# Altium PCB fMAX_MB.PcbDoc (part 6 of 13) (continued)
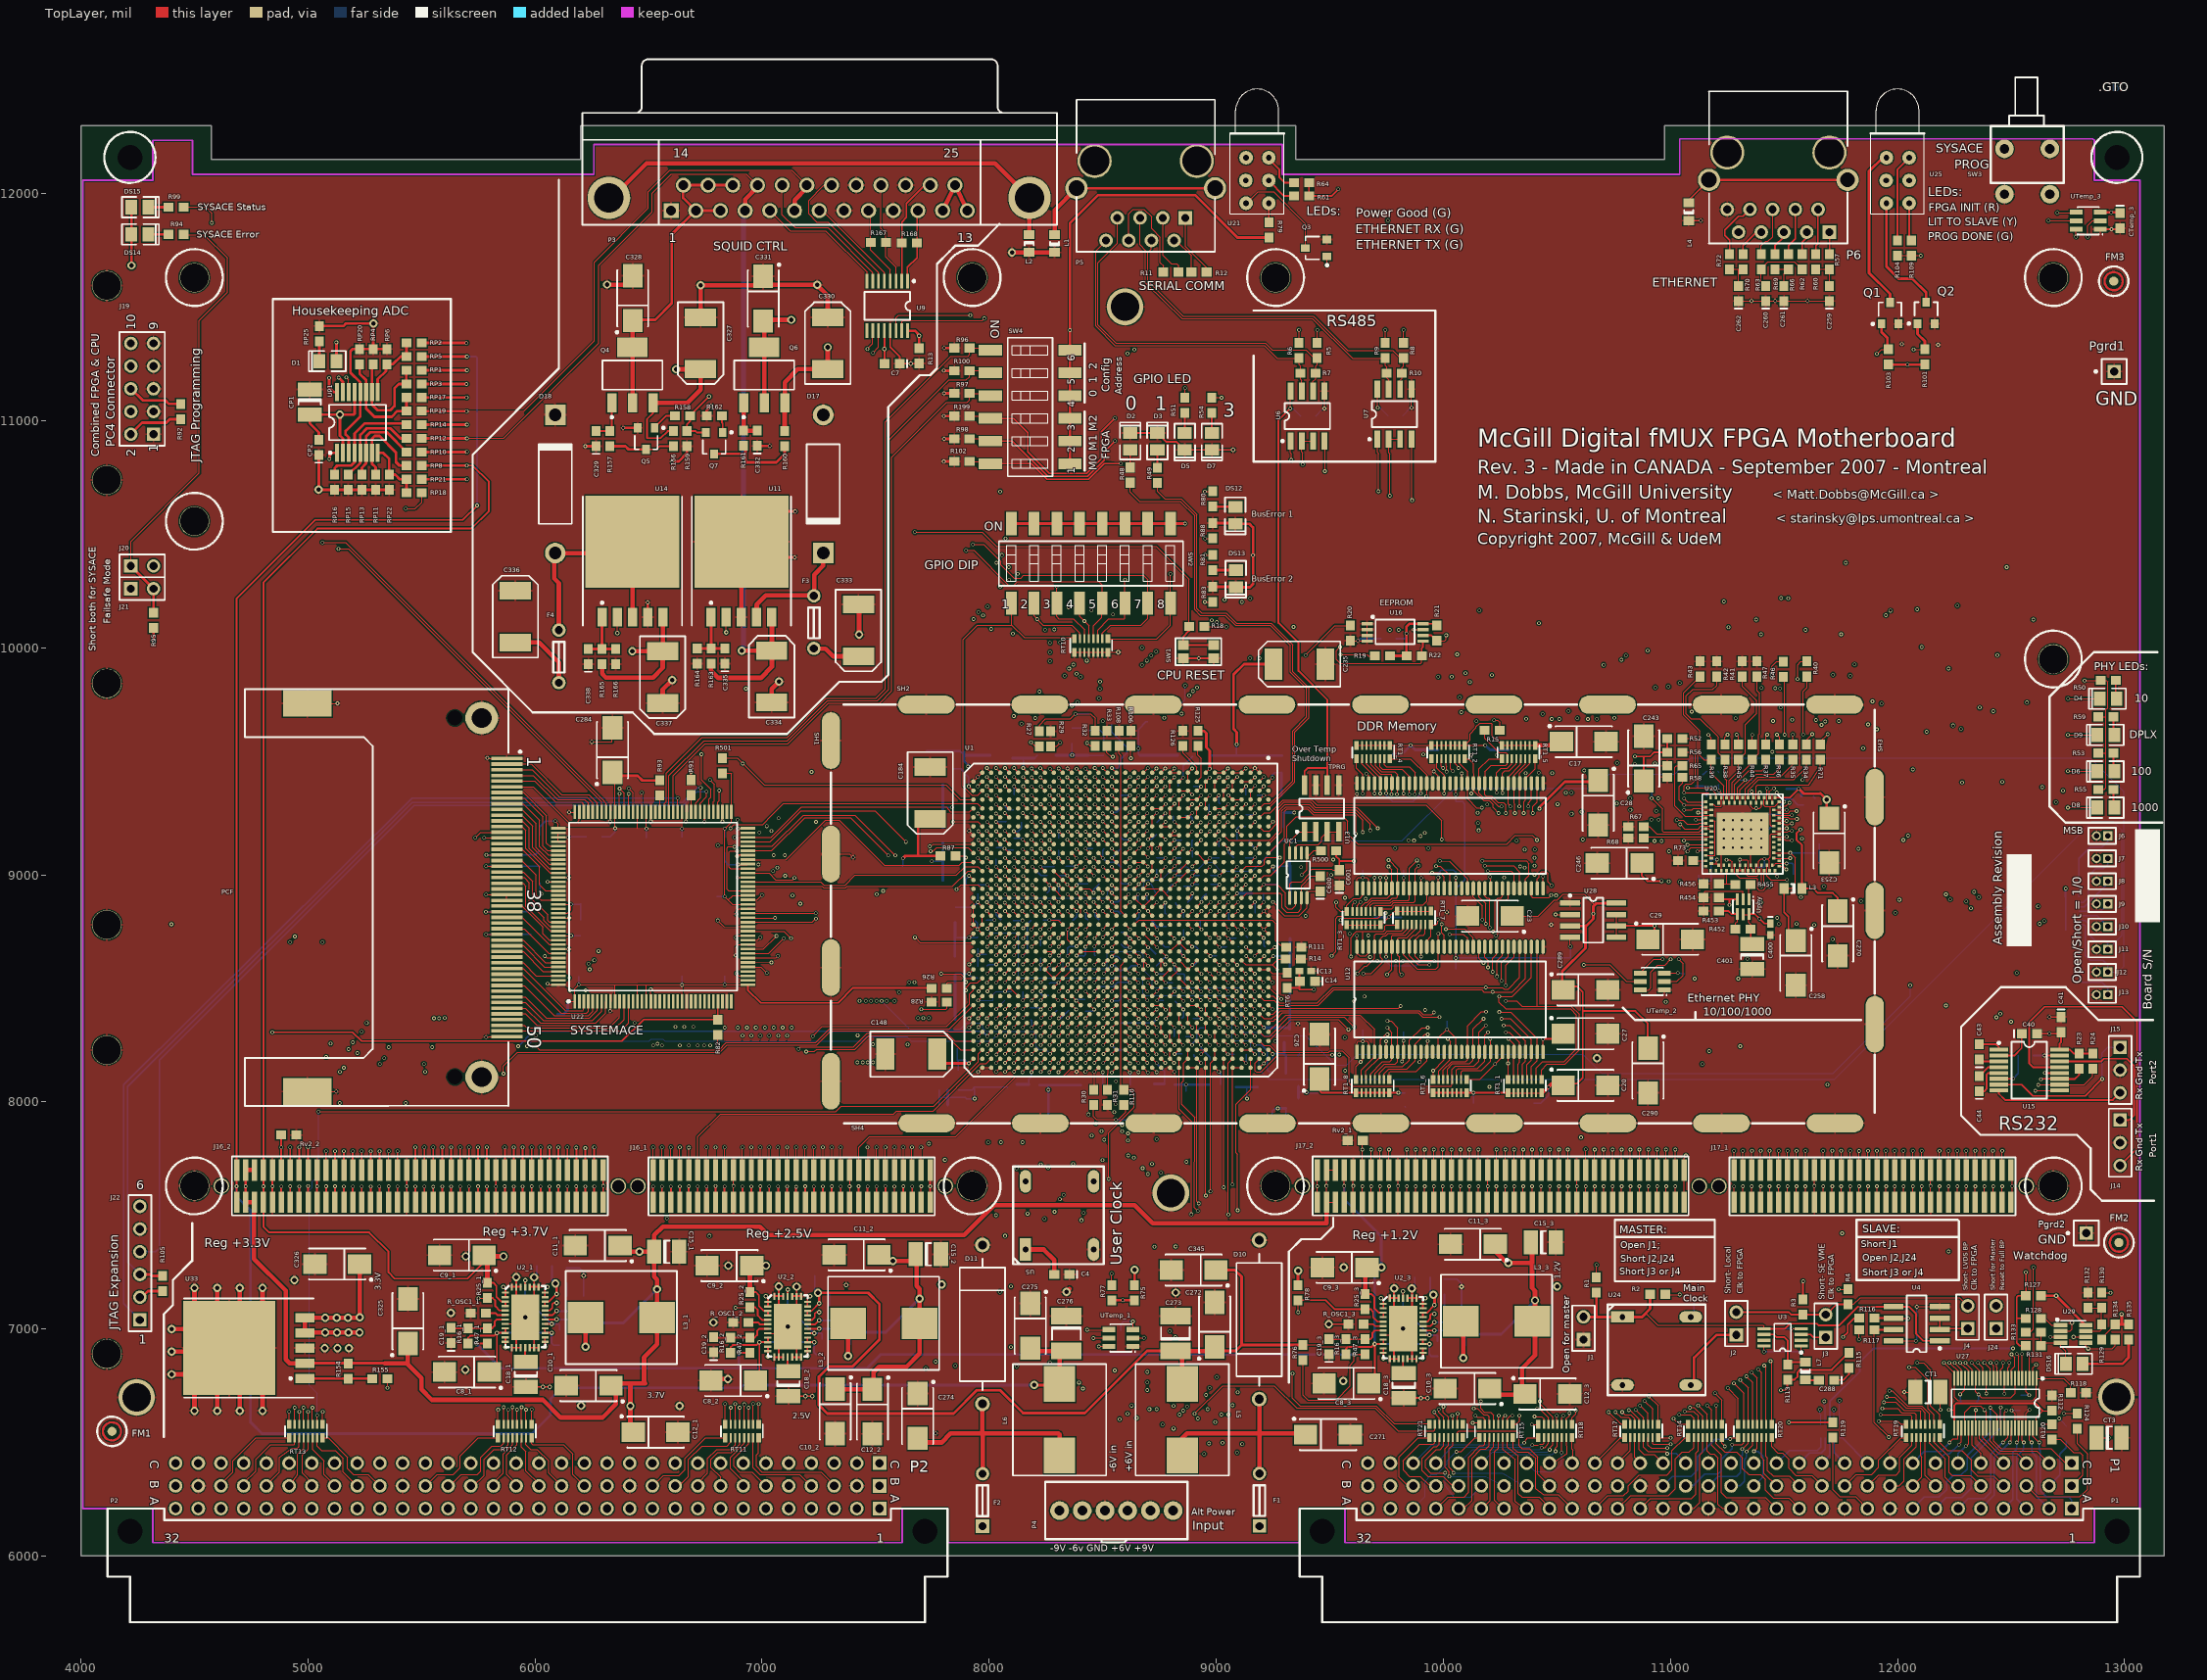
[diagram p0: TopLayer view]
## Nets (pads, with @x,y where several pads share a name; then routed paths per layer and width w, separated by ;. In a path a pad name is that pad's centre, name@x,y a point inside that pad or via, vN(x,y) a via of type N, cw(c..) or ccw(c..) an arc to the next point about the centre after c; other vN are vias at no path point) (continued)
  TopLayer w5: U1.U12@8599.69,9016.54 8601.54,9016.54 v1(8620,9035) ; J17_2.27@10548.19,7558.27 v1@10548.19,7627.81
  MidLayer1 w5: v1@8620,9034.53 8620,9036.34 8638.78,9055.12 9082.68,9055.12 9232.28,9204.72 9232.28,9240.31 9378.97,9387 9535.5,9387 9617.38,9305.12 10138.78,9305.12 10176.18,9342.52 10267.72,9342.52 10297.44,9372.24 10493.9,9372.24 10525.59,9340.55 10546.26,9340.55 v1(10563.98,9361.22)
  MidLayer5 w5: v1@10549,7628 10549,7652 10568,7671 10568,7794.2 10500.08,7862.13 10500.08,8004.17 10539.37,8043.46 10539.37,8090.55 10500.08,8129.84 10500.08,8230.19 10527.56,8257.67 10527.56,8311.02 10491,8347.58 10491,8673.86 10547.24,8730.11 10547.24,9226.38 10580.71,9259.84 10580.71,9344.49 v1(10563.98,9361.22)
  other v1: 10548,7628
M2_COMB2_S1: J17_2.28 U1.U11 | length 4073.9
  TopLayer w5: U1.U11@8599.69,9055.91 8600.91,9055.91 v1(8620,9075) ; J17_2.28@10548.19,7700 v1@10548.19,7790
  MidLayer1 w5: v1(8620,9075) 8620,9074.72 8602.36,9057.09 8602.36,9022.64 8609.25,9015.75 9132.87,9015.75 9187.99,9070.87 9187.99,9146.29 9266.73,9225.03 9266.73,9260.62 9383.11,9377 9531.36,9377 9614.07,9294.29 10142.72,9294.29 10180.94,9332.52 10272.48,9332.52 10302.2,9362.24 10489.76,9362.24 10522.28,9329.72 10539.37,9329.72 10564.96,9304.13 v1(10564.96,9268.7)
  MidLayer5 w5: v1@10548.19,7790.81 10546.17,7790.81 10490.08,7846.9 10490.08,8008.31 10527.56,8045.79 10527.56,8086.61 10490.08,8124.1 10490.08,8234.33 10515.75,8260 10515.75,8307.09 10481,8341.83 10481,8678.01 10535.43,8732.44 10535.43,9239.17 v1(10564.96,9268.7)
  other v1: 10548,7790
M2_COMB3_DATA0: J17_1.23 U1.AD6 | length 8248.1
  TopLayer w5: v1(8306,9271) 8324.09,9252.91 U1.AD6@8324.09,9252.76 ; J17_1.23@12066.93,7558.27 v1@12066.93,7627.93
  MidLayer1 w5: v1(7952.76,10157.48) 7981.3,10157.48 7987.05,10151.73 8415.51,10151.73 8448.82,10185.04 8531.5,10185.04 8560.54,10156 10128.44,10156 10152.56,10180.12 10167.32,10180.12 10191.44,10156 10396.17,10156 10451.61,10100.55 11242.28,10100.55 11251.97,10110.24 11364.17,10110.24 11377.42,10096.99 12014.31,10096.99 v1(12086.61,10169.29)
  MidLayer2 w5: v1(7952.76,10157.48) 7952.76,10106.3 7933.07,10086.61 7933.07,9366.14 7992.13,9307.09 7992.13,9271.65 8011.81,9251.97 8035.43,9251.97 8074.8,9212.6 8228.35,9212.6 8248.03,9232.28 8248.03,9240.16 8259.84,9251.97 8287.4,9251.97 8306,9270.57 v1(8306,9271)
  MidLayer5 w5: v1@12066.93,7627.93 12066.93,7652.93 12087,7673 12087,7787.02 11999,7875.02 11999,8761.33 12078.74,8841.07 12078.74,9452.76 12086.61,9460.63 v1(12086.61,10169.29)
  other v1: 12067,7628
M2_COMB3_DATA1: J17_1.24 U1.AD5 | length 5704.5
  TopLayer w5: v1(8306,9310) 8323.87,9292.13 U1.AD5@8324.09,9292.13 ; J17_1.24@12066.93,7700 v1@12066.93,7784.07
  MidLayer2 w5: v1(8306,9310) 8327,9331 8543,9331 8584,9372 8833.61,9372 8957.68,9496.06 10115.79,9496.06 10135.86,9476 10822,9476 10834,9464 v1(12067,9464)
  MidLayer5 w5: v1(12067,7785) 12067,7787.33 11989,7865.33 11989,8765.47 12067,8843.47 v1(12067,9464)
M2_COMB3_DATA2: J17_1.25 U1.AC7 | length 6189.1
  TopLayer w5: v1(8344,9233) 8363.46,9213.54 U1.AC7@8363.46,9213.39 ; J17_1.25@12027.56,7558.27 v1@12027.56,7627.56
  MidLayer5 w5: v1(12027,7628) 12027,7653 12047,7673 ; v1(12046.26,9172.24) 12057,9161.5 12057,8847.61 11979,8769.61 11979,7855.65 12047.24,7787.4 12047.24,7673.23
  MidLayer6 w5: v1(8344,9233) 8344,9233.76 8362.2,9251.97 8362.2,9490.16 8344.49,9507.87 8344.49,9610.24 8370.08,9635.83 10368.11,9635.83 10751.97,9251.97 10799.21,9251.97 11027.56,9023.62 11416.34,9023.62 11482.95,8957.01 11610.55,8957.01 11825.79,9172.24 v1(12046.26,9172.24)
M2_COMB3_DATA3: J17_1.26 U1.AB8 | length 5961.4
  TopLayer w5: v1(8387,9190) 8402.83,9174.17 U1.AB8@8402.83,9174.02 ; J17_1.26@12027.56,7700 v1@12027.56,7784.56
  MidLayer5 w5: v1(12025.59,9153.54) 12047,9132.13 12047,8851.76 11969,8773.76 11969,7842.02 12026.02,7785 v1(12027,7785)
  MidLayer6 w5: v1(8387,9190) 8387,9191.13 8404.53,9208.66 8404.53,9607.28 8423.07,9625.83 10363.97,9625.83 10748.65,9241.14 10795.9,9241.14 11025.23,9011.81 11414.01,9011.81 11478.81,8947.01 11616.3,8947.01 11822.83,9153.54 v1(12025.59,9153.54)
M2_COMB3_DATA4: J17_1.27 U1.Y16 | length 5234.3
  TopLayer w5: v1(8460,8880) 8480.94,8859.06 U1.Y16@8481.57,8859.06 ; J17_1.27@11988.19,7558.27 v1@11988.19,7627.81
  MidLayer1 w5: v1(8460,8880) 8460.55,8880 8482.28,8858.27 9250.98,8858.27 9271.65,8878.94 9271.65,8931.1 v1@9375,9034.45 ; v1(11041.34,8968.5) 11163.39,8846.46 11964.57,8846.46 v1(12007.87,8889.76)
  MidLayer5 w5: v1(11988,7628) 11988,7653 12007.41,7672.41 12007.41,7787.86 11959,7836.28 11959,8777.9 12007.87,8826.77 v1(12007.87,8889.76)
  MidLayer4 w5: v1@9375,9034.45 9499.95,9034.45 9565.9,8968.5 10211.25,8968.5 10257.51,9014.76 10278.54,9014.76 10336.3,8957.01 10442.87,8957.01 10469.13,8983.27 10910.43,8983.27 10920.28,8993.11 11016.73,8993.11 v1(11041.34,8968.5)
  other v1: 9374.18,9033.63
M2_COMB3_DATA5: J17_1.28 U1.AA15 | length 5137.5
  TopLayer w5: v1(8425,8920) 8425,8915.63 U1.AA15@8442.2,8898.43 ; J17_1.28@11988.19,7700 v1@11988.19,7784.81
  MidLayer1 w5: v1(8425,8920) 8425,8919.09 8405.51,8899.61 8405.51,8821.85 8433.9,8793.46 9300.35,8793.46 v1(9505.91,8999.02) ; v1@10992.13,8972.44 10992.13,8968.5 11127.63,8833 v1@11988,8833
  MidLayer5 w5: v1(11988,7785) 11988,7787.59 11949,7826.59 11949,8792 v1(11990,8833)
  MidLayer4 w5: v1(9505.91,8999.02) 9505.91,8998.03 9546.93,8957.01 9637.48,8957.01 10210.63,8957.68 10214.57,8957.68 10260.83,9003.94 10274.61,9003.94 10331.54,8947.01 10447.01,8947.01 10471.46,8971.46 10914.37,8971.46 10946.69,8939.13 10960.79,8939.13 v1(10992.13,8970.47)
M2_COMB3_DATA6: J17_1.29 U1.AE4 | length 7159.9
  TopLayer w5: v1(8266,9350) 8284.5,9331.5 U1.AE4@8284.72,9331.5 ; J17_1.29@11950,7558.27 v1(11950,7628)
  MidLayer2 w5: v1(8246,10079) 8246,9370 v1(8266,9350)
  MidLayer5 w5: v1(11950,7628) 11950,7653 11969,7672 11969,7790.84 11939,7820.84 11939,9619.38 11952.76,9633.13 11952.76,9729.95 11956.69,9733.89 11956.69,10122.05 11969,10134.35 v1(11969,10163)
  MidLayer4 w5: v1(8246,10079) 8264,10097 9017,10097 9030,10110 9466.72,10110 9504.72,10148 11352.86,10148 11358.86,10154 11938.08,10154 11947.08,10163 v1@11970,10163
M2_COMB3_DATA7: J17_1.30 U1.AD4 | length 6921.2
  TopLayer w5: v1(8305,9350) 8323.5,9331.5 U1.AD4@8324.09,9331.5 ; J17_1.30@11948.82,7700 v1@11948.82,7784.82
  MidLayer2 w5: v1(8286,10081) 8286,9369 v1(8305,9350)
  MidLayer5 w5: v1(11949,7785) 11949,7795.09 11929,7815.09 11929,9623.52 11940.94,9635.46 11940.94,9732.28 11944.88,9736.22 11944.88,10138.88 v1(11949,10143)
  MidLayer4 w5: v1(8286,10081) 9022,10081 9031,10072 9442.86,10072 9508.86,10138 11357,10138 11362,10143 v1(11949,10143)
M2_COMB3_DATA8: J17_1.31 U1.AH3 | length 6395.6
  TopLayer w5: v1(8150,9390) 8166.61,9373.39 U1.AH3@8166.61,9370.87 ; J17_1.31@11909.45,7558.27 v1@11909.45,7627.55
  MidLayer2 w5: v1@8141,9666 8130,9655 8130,9410 v1(8150,9390)
  MidLayer5 w5: v1(11909,7628) 11909,7653 11929,7673 11929,7795.41 11919,7805.41 11919,9627.66 11929,9637.66 v1(11929,9754)
  MidLayer4 w5: v1(8142,9666) 8358.91,9666 8443.74,9750.83 8494.92,9750.83 8521.09,9777 8840.72,9777 8865.75,9751.97 10090.38,9751.97 10099.41,9761 ; 10101.38,9760.83 10143.83,9760.83 10167,9784 11824,9784 11905.51,9783.46 v1(11929,9754)
M2_COMB3_DATA9: J17_1.32 U1.AH2 | length 5980.6
  TopLayer w5: v1(8150,9430) 8166.61,9413.39 U1.AH2@8166.61,9410.24 ; J17_1.32@11909.45,7700 v1@11909.45,7784.55
  MidLayer1 w5: v1(8150,9430) 8150,9448 8169,9467 8169,9505 8179,9515 8325.72,9515 8349.72,9491 8382,9491 8401,9510 8467.61,9510 8505,9547.39 8615.33,9547.39 8643.72,9519 8672,9519 8700.39,9547.39 9039.04,9547.39 9067.43,9519 9118,9519 9146,9547 9814.57,9547 9837.57,9524 9879,9524 9902.39,9547.39 10142.18,9547.39 10166.57,9523 10205,9523 10229.39,9547.39 11080.39,9547.39 11133,9600 11296.85,9600 11324.67,9627.82 11324.67,9634.71 11353.96,9664 11414.01,9664 11437.27,9640.75 11674.83,9640.75 11680.74,9646.65 11903.35,9646.65 v1(11909,9641)
  MidLayer5 w5: v1(11909,7785) v1(11909,9641)
M2_COMB3_DATA10: J17_1.33 U1.AG2 | length 6127.7
  TopLayer w5: v1(8187,9429) 8205.76,9410.24 U1.AG2@8205.98,9410.24 ; J17_1.33@11870.08,7558.27 v1@11870.08,7627.92
  MidLayer3 w5: v1@8187,9429.13 8207.68,9449.8 8277.56,9449.8 8288.39,9460.63 8288.39,9480.31 8308.07,9500 8470.94,9500 8529.01,9558.07 8579.62,9558.07 8754.82,9733.27 8849.41,9733.27 8881.73,9700.94 10035.59,9700.94 10094.49,9759.84 11278.53,9759.84 11282.47,9763.78 v1(11889.76,9763.78)
  MidLayer5 w5: v1(11870,7628) 11870,7653 11890,7673 11890,7795.51 11899,7804.51 11899,9624.62 11889.76,9633.86 v1(11889.76,9763.78)
M2_COMB3_DATA11: J17_1.34 U1.AG1 | length 6100.9
  TopLayer w5: v1(8187,9468) 8205.39,9449.61 U1.AG1@8205.98,9449.61 ; J17_1.34@11870.08,7700 v1@11870.08,7783.92
  MidLayer1 w5: v1(8202,9690) 8489.21,9690 8495.08,9695.87 8503.94,9695.87 8529.8,9670 10122.32,9670 10130.68,9678.36 10130.68,9682.85 10140.75,9692.91 10151.57,9692.91 10184.49,9660 11035.72,9660 11076.77,9701.05 11076.77,9725.39 11086.61,9735.24 11087.6,9735.24 11125,9772.64 11381.89,9772.64 11448.82,9839.57 11499.02,9839.57 11614.58,9724 11808.48,9724 v1(11870.08,9662.4)
  MidLayer5 w5: v1(8187,9468) 8187,9504 8202,9519 v1(8202,9690) ; v1(11870,7785) 11870,7791.26 11889,7810.26 11889,9485.02 11870,9504.02 v1(11870.08,9662.4)
M2_COMB3_DATA12: J17_1.35 U1.AC9 | length 5188.3
  TopLayer w5: v1(8344,9154) 8363.35,9134.65 U1.AC9@8363.46,9134.65 ; J17_1.35@11830.71,7558.27 v1@11830.71,7627.71
  MidLayer2 w5: v1(8344,9154) 8344,9136.31 8366.14,9114.17 8366.14,9070.87 8381.89,9055.12 9106.3,9055.12 ; 9108.27,9055.12 9128.57,9055.12 9135.46,9048.23 9180.12,9048.23 9235.75,9103.86 9762.91,9103.86 9776.21,9090.55 10298.85,9090.55 10314.6,9074.8 10373.03,9074.8 10383.86,9063.98 10383.86,8993.11 10450.79,8926.18 10503.94,8926.18 10522.17,8907.95 11257.4,8907.95 11291.85,8873.51 11291.85,8850.87 11308.9,8833.82 11799.37,8833.82 11838.58,8873.03 v1(11838.58,8884.84)
  MidLayer5 w5: v1(11831,7628) 11831,7653 11850,7672 11850,7787.01 11879,7816.01 11879,8858.2 11852.36,8884.84 v1(11838.58,8884.84)
M2_COMB3_DATA13: J17_1.36 U1.AC8 | length 5721.3
  TopLayer w5: v1(8346,9191) 8362.98,9174.02 U1.AC8@8363.46,9174.02 ; J17_1.36@11830.71,7700 v1@11830.71,7784.71
  MidLayer5 w5: v1(11828.74,9114.17) 11821,9106.43 11821,8875.85 11869,8827.85 11869,7833.57 11830.71,7795.28 v1(11830.71,7783.46)
  MidLayer6 w5: v1(8346,9191) 8348.37,9191 8366.14,9173.23 8431.1,9173.23 8445.87,9187.99 8445.87,9554.13 8507.56,9615.83 10359.83,9615.83 10744.51,9231.14 10791.34,9231.14 10912.97,9109.51 10913.39,9109.51 11022.9,9000 11411.68,9000 11474.67,8937.01 11622.05,8937.01 11799.21,9114.17 v1(11828.74,9114.17)
M2_COMB3_DATA14: J17_1.37 U1.AG3 | length 6622.5
  TopLayer w5: v1(8188,9389) 8205.98,9371.02 U1.AG3@8205.98,9370.87 ; J17_1.37@11791.34,7558.27 v1@11791.34,7627.66
  MidLayer2 w5: v1(8108.27,9698.82) 8142.72,9698.82 8161.96,9679.58 8161.96,9575.04 ; 8161,9576 8169,9568 8169,9408 v1(8188,9389)
  MidLayer5 w5: v1(11791,7628) 11791,7653 11811,7673 11811,7791.31 11859,7839.31 11859,8823.71 11811,8871.71 v1(11811,9926)
  MidLayer4 w5: v1(8108.27,9698.82) 8163.39,9698.82 8175.57,9711 8354,9711 8370,9727 8370,9727.28 8397.56,9727.28 8431.1,9760.83 8489.17,9760.83 8515.35,9787 8844.86,9787 8869.06,9762.8 10077.65,9762.8 10108.86,9794 11662,9794 11794,9926 v1(11811,9926)
M2_COMB3_DATA15: J17_1.38 U1.AF3 | length 6173.5
  TopLayer w5: v1(8227,9389) 8245.13,9370.87 U1.AF3@8245.35,9370.87 ; J17_1.38@11791.34,7700 v1@11791.34,7783.66
  MidLayer1 w5: v1(8387.8,9760.83) 10937.29,9761 10973.29,9797 11034.2,9797 11079.72,9842.52 11135.2,9898 11770,9898 v1(11791,9877)
  MidLayer5 w5: v1(8227,9389) 8245,9407 8245,9504.72 8295.28,9555 8324,9555 8338,9569 8338,9694.3 8387.8,9744.09 v1(8387.8,9760.83) ; v1(11791,7785) 11791,7787.06 11849,7845.06 11849,8819.57 11799.21,8869.35 11799.21,9868.79 v1(11791,9877)
M2_COMB3_S0: J17_1.39 U1.AE6 | length 7978.2
  TopLayer w5: v1(8266,9272) 8284.72,9253.28 U1.AE6@8284.72,9252.76 ; J17_1.39@11751.97,7558.27 v1(11752,7628)
  MidLayer1 w5: v1(8031.5,10374.02) v1(11771.65,10374.02)
  MidLayer2 w5: v1(8031.5,10374.02) 8031.5,10078.74 8011.81,10059.06 8011.81,9385.83 8027.56,9370.08 8039.37,9370.08 8110.24,9299.21 8110.24,9271.65 8129.92,9251.97 8208.66,9251.97 8228.69,9272 v1(8266,9272)
  MidLayer5 w5: v1(11752,7628) 11751.97,7652.97 11771,7672 11771,7790.69 11839,7858.69 11839,8815.42 11787.4,8867.02 11787.4,9858.27 11771.65,9874.02 v1(11771.65,10374.02) v1@11771,10373.36
M2_COMB3_S1: J17_1.40 U1.AF5 | length 6347.8
  TopLayer w5: v1(8227,9311) 8245.35,9292.65 U1.AF5@8245.35,9292.13 ; J17_1.40@11751.97,7700 v1@11751.97,7784.03
  MidLayer2 w5: v1(8221.46,9807.09) 8221,9682 8207,9668 8207,9330 8226,9311 v1(8227,9311)
  MidLayer5 w5: v1(11716,9881) 11775.59,9821.41 ; v1(11752,7785) 11752,7791.37 11829,7868.37 11829,8811.28 11775,8865.28 11775,9820
  MidLayer4 w5: v1(8221.46,9807.09) 8231.3,9797.24 8849,9797 8873,9773 10025.59,9773.62 10034.45,9773.62 10065.83,9805 11640,9805 v1(11716,9881)
M2_COMB4_DATA0: J17_1.3 U1.AB6 | length 8652
  TopLayer w5: v1(8385,9271) 8402.83,9253.17 U1.AB6@8402.83,9252.76 ; J17_1.3@12460.63,7558.27 v1@12460.63,7627.63
  MidLayer1 w5: v1(8086.61,10354.33) v1(12480.32,10354.33)
  MidLayer2 w5: v1(8086.61,10354.33) 8070.87,10338.58 8070.87,10255.91 8047.24,10232.28 8047.24,9381.89 8137.8,9291.34 8366.14,9291.34 v1@8385.83,9271.65
  MidLayer5 w5: v1(12461,7628) 12461,7681 12480,7700 12480,7791.65 12413,7858.65 12413,8891.86 12456.69,8935.56 12456.69,9381.89 12480.32,9405.51 v1(12480.32,10354.33) v1@12480,10354.02
M2_COMB4_DATA1: J17_1.4 U1.AB5 | length 6014.8
  TopLayer w5: v1(8385,9310) U1.AB5@8402.83,9292.17 ; J17_1.4@12460.63,7700 v1@12460.63,7784.63
  MidLayer2 w5: v1(10419.29,9449.8) 10419.29,9434.06 10423.35,9430 11320.56,9430 11329.56,9439 12431,9439 v1(12461,9409)
  MidLayer5 w5: v1(12461,7785) 12461,7787.03 12403,7845.03 12403,8896.01 12444.88,8937.89 12444.88,9392.88 v1(12461,9409)
  MidLayer4 w5: v1(8385,9310) 8403,9328 8403,9356 8418,9371 8436,9371 8444,9379 8444,9396 8458,9410 8567.48,9410 8606.3,9448.82 9177.17,9448.82 9206.54,9478.19 9966.69,9478.19 10013.78,9431.1 10400.59,9431.1 v1(10419.29,9449.8)
M2_COMB4_DATA2: J17_1.5 U1.AC3 | length 7286.9
  TopLayer w5: v1(8345,9390) 8363.46,9371.54 U1.AC3@8363.46,9370.87 ; J17_1.5@12421.26,7558.27 v1@12421.26,7627.74
  MidLayer2 w5: v1(8312,10024) 8312,9738 8332,9718 8332,9572 8326,9566 8326,9409 v1(8345,9390)
  MidLayer5 w5: v1(12421,7628) 12421,7680 12440,7699 12440,7792.28 12393,7839.28 12393,8900.15 12433.07,8940.22 12433.07,9399.67 12440,9406.6 v1(12440,9968)
  MidLayer4 w5: v1(8312,10024) 9580,10024 9608,9996 10858,9996 10886,9968 v1(12440,9968)
M2_COMB4_DATA3: J17_1.6 U1.AC2 | length 6335.1
  TopLayer w5: v1(8344,9429) 8362.76,9410.24 U1.AC2@8363.46,9410.24 ; J17_1.6@12420,7700 v1(12420,7785)
  MidLayer3 w5: v1(8344,9429) 8344.35,9429 8364.17,9448.82 8473.43,9448.82 8484.25,9459.65 8484.25,9483.27 8537.4,9536.42 8586.25,9536.42 8645.31,9595.47 8699.08,9595.47 8783.72,9680.12 10113.81,9680.12 10144.32,9710.63 10399.76,9710.63 10427.17,9738.03 11251.76,9738.03 11273.26,9716.54 11687.99,9716.54 11715.24,9743.78 11872,9743.78 11891.37,9724.41 12352.17,9724.41 12356.1,9720.47 v1(12421.26,9720.47)
  MidLayer5 w5: v1(12420,7785) 12420,7796.54 12383,7833.54 12383,8904.29 12423.07,8944.36 12423.07,9407.32 12430,9414.25 12430,9711.73 v1(12421.26,9720.47)
M2_COMB4_DATA4: J17_1.7 U1.Y11 | length 5486
  TopLayer w5: v1(8460,9075) 8479.09,9055.91 U1.Y11@8481.57,9055.91 ; J17_1.7@12381.89,7558.27 v1@12381.89,7627.89
  MidLayer3 w5: v1(8460,9075) 8480,9055 8569,9055 8607,9017 8927.88,9017 8944.88,9000 8990.16,9000 9005.92,9015.76 9006.23,9015.76 9054.96,9064.49 9129.67,9064.49 9157.74,9036.42 9210.94,9036.42 9310.04,8937.32 9826.46,8937.32 9873.78,8890 11223.92,8890 11243.37,8909.45 11275.59,8909.45 11291.34,8893.7 11418.31,8893.7 11438.98,8873.03 11802.17,8873.03 11830.71,8901.57 11856.66,8901.57 11886.03,8872.2 12253.91,8872.2 12283.28,8901.57 v1(12358.27,8901.57)
  MidLayer5 w5: v1(12358.27,8901.57) 12373,8886.84 12373,7819.91 12401,7791.91 12401,7701 12381.89,7681.89 v1@12381.89,7627.89
  other v1: 12382,7628
M2_COMB4_DATA5: J17_1.8 U1.AA11 | length 5530.6
  TopLayer w5: v1(8425,9075) 8442.2,9057.8 U1.AA11@8442.2,9055.91 ; J17_1.8@12381.89,7700 v1@12381.89,7784.89
  MidLayer2 w5: v1(10401.58,9039.37) 10422.24,9039.37 10533.66,8927.95 11268.9,8927.95 11313.98,8882.87 11313.98,8861.22 11321.38,8853.82 11502.44,8853.82 11565.94,8917.32 11946.85,8917.32 11990.16,8874.02 12249.02,8874.02 12299.21,8924.21 v1(12337.6,8924.21)
  MidLayer5 w5: v1(12337.6,8924.21) 12338.9,8922.91 12338.9,8893.39 12363,8869.28 12363,7814.17 12381.89,7795.28 v1@12381.89,7784.89
  MidLayer4 w5: v1(8425,9075) 8444.88,9055.12 8542.32,9055.12 8562.99,9034.45 8562.99,9010.83 8597.44,8976.38 ; 8596.08,8977.74 8966.91,8977.74 9002.95,9013.78 9045.28,9013.78 9091.54,9060.04 9474.41,9060.04 9505.91,9091.54 9865.16,9091.54 9949.49,9175.87 10136.76,9175.87 10143.34,9169.29 10271.65,9169.29 v1(10401.58,9039.37)
  other v1: 12382,7785
M2_COMB4_DATA6: J17_1.9 U1.AD2 | length 6515.2
  TopLayer w5: v1(8306,9428) 8323.76,9410.24 U1.AD2@8324.09,9410.24 ; J17_1.9@12342.52,7558.27 v1@12342.52,7627.52
  MidLayer3 w5: v1@8307.92,9428 8326.77,9446.85 8326.77,9475.39 8340.55,9489.17 8474.25,9489.17 8532.32,9547.24 8582.94,9547.24 8758.96,9723.27 8805.28,9723.27 8837.6,9690.94 10096.46,9690.94 10153.54,9748.03 11255.91,9748.03 11275.59,9728.35 11295.28,9728.35 11320.71,9753.78 11876.14,9753.78 11893.7,9736.22 v1(12362.2,9736.22)
  MidLayer5 w5: v1(12343,7628) 12343,7681 12362,7700 12362,7791.54 12353,7800.54 12353,8863.54 12328.9,8887.64 12328.9,8895.51 12304,8920.41 12304,9388.28 12314.96,9399.24 12314.96,9688.98 v1(12362.2,9736.22)
M2_COMB4_DATA7: J17_1.10 U1.AD1 | length 6268.6
  TopLayer w5: v1(8306,9468) 8324.09,9449.91 U1.AD1@8324.09,9449.61 ; J17_1.10@12342.52,7700 v1@12342.52,7784.48
  MidLayer1 w5: v1(8306,9468) 8306,9467 8323,9450 8739,9450 8756,9433 8756,9423 8769,9410 9252.52,9410 9262.8,9420.28 9262.8,9469.49 9280.31,9487 9789.72,9487 9816.09,9460.63 9934.54,9460.63 9971.3,9497.39 10088.14,9497.39 10124.9,9460.63 10162.4,9460.63 10181.24,9479.47 10256.04,9479.47 10283.97,9507.39 10699.56,9507.39 10751.24,9455.71 10847.44,9455.71 10919.12,9527.39 11089.4,9527.39 11142.01,9580 11306.38,9580 11344.67,9618.29 11344.67,9624.2 11353.35,9632.87 11387.8,9632.87 11419.29,9601.38 11649.61,9601.38 11684.06,9635.83 11699.8,9635.83 11708.66,9626.97 11902.41,9626.97 11904.38,9625 11918.31,9625 11940.79,9647.48 12230.47,9647.48 12237.2,9640.75 v1(12279.53,9641.73)
  MidLayer5 w5: v1(12279.53,9641.73) 12303.15,9618.11 12303.15,9401.57 12294,9392.43 12294,8914.66 12318.9,8889.76 12318.9,8881.89 12343,8857.79 v1(12343,7785)
M2_COMB4_DATA8: J17_1.11 U1.Y14 | length 5240.6
  TopLayer w5: U1.Y14@8481.57,8937.8 8482.2,8937.8 v1(8500,8920) ; J17_1.11@12303.15,7558.27 v1@12303.15,7627.85
  MidLayer3 w5: v1(8500,8920) 8522,8898 8550.82,8898 8590.55,8858.27 9109.25,8858.27 9161.93,8805.59 9323.93,8805.59 9378.34,8860 11233,8860 11241,8852 11811.02,8851.38 11813.98,8851.38 11823.82,8841.54 11847.44,8841.54 11857.91,8852 v1(12323,8852)
  MidLayer5 w5: v1(12303,7628) 12303,7680 12323,7700 12323,7791.5 12333,7801.5 12333,8842 v1(12323,8852)
M2_COMB4_DATA9: J17_1.12 U1.AA13 | length 5261.9
  TopLayer w5: v1(8425,8995) 8425,8994.37 U1.AA13@8442.2,8977.17 ; J17_1.12@12303.15,7700 v1@12303.15,7784.85
  MidLayer3 w5: v1(8425,8995) 8482,8938 9021.66,8938 9055.12,8971.46 9055.12,8994.09 9074.8,9013.78 9203.53,9013.78 9299.99,8917.32 9814.96,8917.32 9862.28,8870 11232.2,8870 11248.03,8885.83 11267.72,8885.83 11291.54,8862 11816.93,8862.2 11817.91,8862.2 11827.76,8852.36 11842.52,8852.36 11852.36,8862.2 12283.46,8862.2 v1(12303.15,8881.89)
  MidLayer5 w5: v1(12303,7785) 12303,7795.13 12323,7815.13 12323,8826.61 12303.15,8846.46 v1(12303.15,8881.89)
M2_COMB4_DATA10: J17_1.13 U1.AC5 | length 6046.9
  TopLayer w5: v1(8346,9310) 8363.46,9292.54 U1.AC5@8363.46,9292.13 ; J17_1.13@12263.78,7558.27 v1@12263.78,7627.78
  MidLayer2 w5: v1(10363,9448) 10388.61,9448 10417.32,9419.29 11299.71,9419.29 11321,9398 11332.06,9398 11363.06,9429 11546.39,9429 11573.82,9401.57 11608.57,9401.57 11636,9429 12262,9429 v1(12284,9407)
  MidLayer5 w5: v1@12263.78,7627.78 12263.78,7679.78 12284,7700 12284,7791.87 12313,7820.87 12313,8822.46 12284,8851.46 v1(12284,9407)
  MidLayer4 w5: v1(8346,9310) 8366,9330 8366,9357 8380,9371 8393,9371 8406,9384 8406,9437 8419,9450 8549.41,9450 8587.6,9488.19 10322.81,9488.19 v1(10363,9448)
  other v1: 12264,7628
M2_COMB4_DATA11: J17_1.14 U1.AC4 | length 7361
  TopLayer w5: v1(8345,9350) U1.AC4@8363.46,9331.5 ; J17_1.14@12263.78,7700 v1@12263.78,7784.78
  MidLayer2 w5: v1(8345,9350) 8363,9368 8363,9498 8382,9517 8382,9690 8396,9704 8396,9704.07 8405.51,9713.58 8405.51,9841.54 8396.05,9851 8395,9851 8369,9877 8369,9901 8396,9928 8396,10131 v1(8349,10178)
  MidLayer5 w5: v1@12263.78,7784.78 12263.78,7791.34 12303,7830.56 12303,8818.32 12271.65,8849.67 12271.65,9397.63 12263.78,9405.5 v1(12263.78,10185.22)
  MidLayer4 w5: v1(8349,10178) 8430,10178 8437,10185 v1(12263.78,10185.22)
  other v1: 12264,7785
M2_COMB4_DATA12: J17_1.15 U1.AF1 | length 6580.9
  TopLayer w5: v1@8226,9469 U1.AF1@8245.35,9449.61 ; J17_1.15@12224.41,7558.27 v1@12224.41,7627.41
  MidLayer1 w5: v1(8364.17,9744.09) 8739.17,9744.09 8745.08,9750 8773.62,9750 8779.62,9744 8854.43,9744 8898.43,9700 10024.44,9700 10068.53,9744.09 11080.35,9744.09 11119.72,9783.46 11350.39,9783.46 11380.91,9813.98 11380.91,9835.63 11395.67,9850.39 11502.95,9850.39 11619.35,9734 11823.09,9734 11899.61,9657.48 v1(12244.09,9657.48)
  MidLayer5 w5: v1(8225,9469) 8225,9498.86 8291.14,9565 8318,9565 8328,9575 8328,9707.92 v1(8364.17,9744.09) ; v1(12225,7628) 12225,7681 12244,7700 12244,7787.31 12293,7836.31 12293,8814.18 12259.84,8847.34 12259.84,9395.3 12244,9411.14 v1(12244.09,9657.48)
M2_COMB4_DATA13: J17_1.16 U1.AE1 | length 6671.5
  TopLayer w5: v1(8267,9467) 8284.39,9449.61 U1.AE1@8284.72,9449.61 ; J17_1.16@12224.41,7700 v1@12224.41,7784.59
  MidLayer1 w5: v1(8352,9908) v1@12224,9908
  MidLayer5 w5: v1(8267,9467) 8267,9483 8348,9564 8348,9656.07 8403.54,9711.61 8403.54,9798.23 8352,9849.77 v1(8352,9908) ; v1(12225,7785) 12225,7787.99 12283,7845.99 12283,8810.04 12248.03,8845.01 12248.03,9392.97 12225,9416 v1(12225,9908)
M2_COMB4_DATA14: J17_1.17 U1.AA9 | length 5556.6
  TopLayer w5: v1(8425,9155) 8442.2,9137.8 U1.AA9@8442.2,9134.65 ; J17_1.17@12185.04,7558.27 v1(12185,7628)
  MidLayer2 w5: v1(10401.58,9074.8) 10402.56,9074.8 10539.41,8937.95 11273.66,8937.95 11317.91,8893.7 11528.18,8893.7 11562.63,8928.15 11995.08,8928.15 12039.21,8884.02 12223.58,8884.02 v1(12231.3,8891.73)
  MidLayer5 w5: v1(12185,7628) 12185,7684 12205,7704 12205,7787.68 12273,7855.68 12273,8805.9 12236.22,8842.67 12236.22,8886.81 v1(12231.3,8891.73)
  MidLayer4 w5: v1(8425,9155) 8425,9153.74 8484.25,9094.49 8551.18,9094.49 8579.72,9065.94 8579.72,9033.46 8595.47,9017.72 8983.27,9017.72 9010.67,9045.12 9062.47,9045.12 9112.83,9095.47 9282.48,9095.47 9307.91,9070.04 9470.27,9070.04 9502.59,9102.36 9860.24,9102.36 9943.74,9185.87 10140.91,9185.87 10146.65,9180.12 10315.94,9180.12 10381.89,9114.17 10381.89,9094.49 v1(10401.58,9074.8)
M2_COMB4_DATA15: J17_1.18 U1.AA8 | length 5339.5
  TopLayer w5: v1(8425,9190) 8440.98,9174.02 U1.AA8@8442.2,9174.02 ; J17_1.18@12185.04,7700 v1(12185,7785)
  MidLayer2 w5: v1(8425,9190) 8428.11,9190 8440.94,9177.17 8440.94,9137.8 8484.25,9094.49 9103.35,9094.49 9137.8,9060.04 9177.17,9060.04 9230.98,9113.86 9767.05,9113.86 9779.53,9101.38 10302.17,9101.38 10312.99,9090.55 10408.46,9090.55 10551.06,8947.95 11279.41,8947.95 11323.66,8903.7 11524.04,8903.7 11559.31,8938.98 11633.86,8938.98 11674.21,8979.33 11959.65,8979.33 12044.96,8894.02 12194.21,8894.02 v1(12213.58,8913.39)
  MidLayer5 w5: v1(12185,7785) 12185,7795.24 12263,7873.24 12263,8801.75 12224.41,8840.34 12224.41,8840.55 12213.58,8851.38 v1(12213.58,8913.39)
M2_COMB4_S0: J17_1.21 U1.Y12 | length 6729.9
  TopLayer w5: v1(8460,9035) 8478.46,9016.54 U1.Y12@8481.57,9016.54 ; J17_1.21@12106.3,7558.27 v1@12106.3,7627.3
  MidLayer1 w5: v1(8460,9035) 8461,9035 8480,9016 8480,8989.49 8493.11,8976.38 8562.99,8976.38 8576.77,8962.6 8576.77,8926.18 8604.95,8898 9111.58,8898 9221.46,9007.87 9221.46,9137.33 9299.21,9215.08 9299.21,9250.67 9306.41,9257.87 9351.38,9257.87 9360.24,9266.73 9360.24,9311.7 9395.54,9347 9518.93,9347 9604.12,9261.81 10125.62,9261.81 10142.35,9245.08 10170.28,9245.08 10170.28,9245.91 10246.89,9322.52 10278.19,9322.52 10307.91,9352.24 10402.68,9352.24 10501.97,9252.95 10711.25,9252.95 10729.95,9234.25 10901.57,9234.25 10909.45,9226.38 10955.71,9226.38 10963.58,9234.25 10963.58,9499.02 10971.96,9507.39 11098.93,9507.39 11151.54,9560 11321.81,9560 11352.36,9590.55 11687.01,9590.55 11710.63,9614.17 11922.24,9614.17 11937.99,9629.92 v1(12127.95,9629.92)
  MidLayer5 w5: v1(12106,7628) 12106,7653 12126,7673 12126,7787.39 12019,7894.39 12019,8753.04 12102.36,8836.41 12102.36,9448.09 12127.95,9473.68 v1(12127.95,9629.92)
M2_COMB4_S1: J17_1.22 U1.AE3 | length 6810.4
  TopLayer w5: v1(8266,9389) 8284.13,9370.87 U1.AE3@8284.72,9370.87 ; J17_1.22@12106.3,7700 v1@12106.3,7784.7
  MidLayer1 w5: v1(8371.36,9925.64) 8652.64,9925.64 8727,10000 9520,10000 9539,10019 9614.11,10019 9630.11,10003 v1(12106,10003)
  MidLayer5 w5: v1(8266,9389) 8266,9436 8287,9457 8287,9488.86 8358,9559.86 8358,9651.93 8414.37,9708.3 8414.37,9812.63 8365,9862 8365,9886 8371.36,9892.36 v1(8371.36,9925.64) ; v1(12106,7785) 12106,7787.7 12009,7884.7 12009,8757.19 12090.55,8838.74 12090.55,9450.42 12106,9465.87 v1(12106,10003)
M2_DEMODA_DATA0: J17_2.3 U1.N4 | length 5241.4
  TopLayer w5: U1.N4@8757.17,9331.5 8757.5,9331.5 v1(8776,9350) ; J17_2.3@11020.63,7558.27 v1@11020.63,7627.63
  MidLayer1 w5: v1(8897,9809) 10949,9809 10985,9845 v1(11041,9845)
  MidLayer5 w5: v1(8776,9350) 8832,9406 8832,9445.86 8897,9511 v1(8897,9809) ; 10960.06,8768.76 10960.06,8790.92 10933.78,8817.2 10933.78,9098.15 10977.36,9141.73 10977.36,9278.54 10976.38,9279.53 10947.83,9308.07 10899.97,9308.07 10883,9325.04 10883,9463.6 10898.62,9479.23 10898.62,9762.34 10935.34,9799.06 10995.06,9799.06 v1(11041,9845) ; 10960.63,8769.32 10933.78,8742.47 10933.78,7900.87 11040,7794.65 11040,7671.74 11020.63,7652.37 v1@11020.63,7627.63
  other v1: 11021,7628
M2_DEMODA_DATA1: J17_2.4 U1.P4 | length 4385.7
  TopLayer w5: U1.P4@8717.8,9331.5 8717.8,9331.8 v1(8737,9351) ; J17_2.4@11020.63,7700 v1@11020.63,7789.37
  MidLayer5 w5: v1@8737,9352 v1(8737,9351) 8757,9371 8757,9677.28 v1(8770.67,9690.94) ; v1@10961.61,9149.61 10961.61,9144.32 10923.78,9106.49 10923.78,8811.85 10948.82,8786.81 10948.82,8771.65 10923.78,8746.61 10923.78,7895.12 11021,7797.9 v1(11021,7790)
  MidLayer4 w5: v1(8770.67,9690.94) 10136.81,9690.94 10147.64,9701.77 10244.09,9701.77 10446.85,9499.02 10446.85,9442.91 10468.5,9421.26 10468.5,9409.45 10533.46,9344.49 10589.2,9344.49 10801.18,9132.51 10945.5,9132.51 v1(10961.61,9148.62)
M2_DEMODA_DATA2: J17_2.5 U1.N3 | length 5072.2
  TopLayer w5: U1.N3@8757.17,9370.87 8757.17,9371.17 v1(8775,9389) ; J17_2.5@10981.26,7558.27 v1@10981.26,7627.74
  MidLayer1 w5: v1(8881,9791) 8908,9791 8916,9799 10959,9799 ; 10958.92,9799 10958.96,9799.04 10969,9809 10988,9828 v1(10991,9829)
  MidLayer5 w5: v1(8775,9389) 8796,9410 8796,9432 8814,9450 8820,9450 8833,9463 8833,9607.61 8881,9655.61 v1(8881,9791) ; v1(10982,7628) 10982,7653 11000,7671 11000,7795.28 10913.78,7881.5 10913.78,9110.63 10945.87,9142.72 10945.87,9215.55 10963.58,9233.27 10963.58,9277.56 10943.9,9297.24 10896.65,9297.24 10873,9320.9 10873,9467.75 10886.81,9481.56 10886.81,9764.67 10931.2,9809.06 10971.06,9809.06 v1(10991,9829)
M2_DEMODA_DATA3: J17_2.6 U1.N2 | length 4227.4
  TopLayer w5: U1.N2@8757.17,9410.24 U1.N2@8757.17,9410.24 v1(8775,9428) ; J17_2.6@10981.26,7700 v1@10981.26,7789.74
  MidLayer1 w5: v1(8847.44,9709.65) 8877.09,9680 10043,9680 v1(10079,9716)
  MidLayer5 w5: v1(8775,9428) 8796,9449 8796,9658.2 v1(8847.44,9709.65) ; v1(10930,9149) 10903.78,9122.78 10903.78,7871.81 10981,7794.59 v1(10981,7790)
  MidLayer4 w5: v1(10079,9716) 10107,9744 10256.98,9744 10515.75,9485.24 10515.75,9432.09 10798.83,9149 v1(10930,9149)